# KiCad board cvbs-mipi-bridge.kicad_pcb
title: CVBS-MIPI Bridge; date: 2022-11-16; rev: 1.1.1; company: Antmicro Ltd.; note: www.antmicro.com
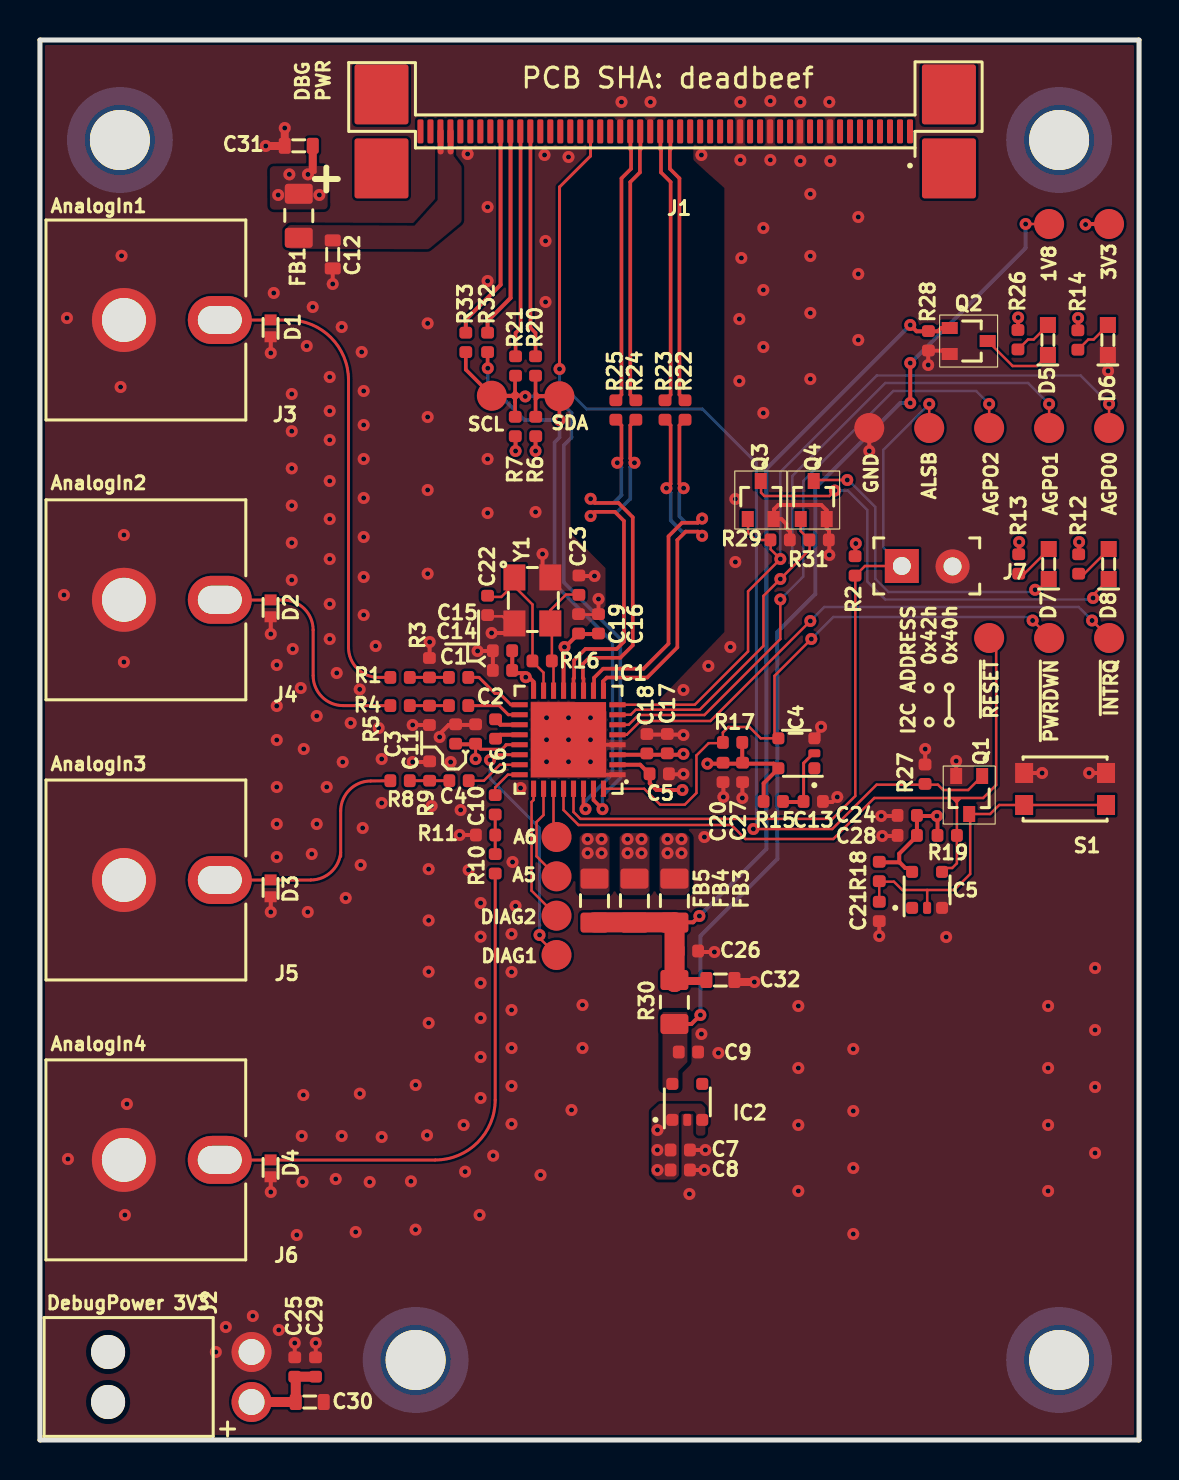
[diagram p0: board, top side]
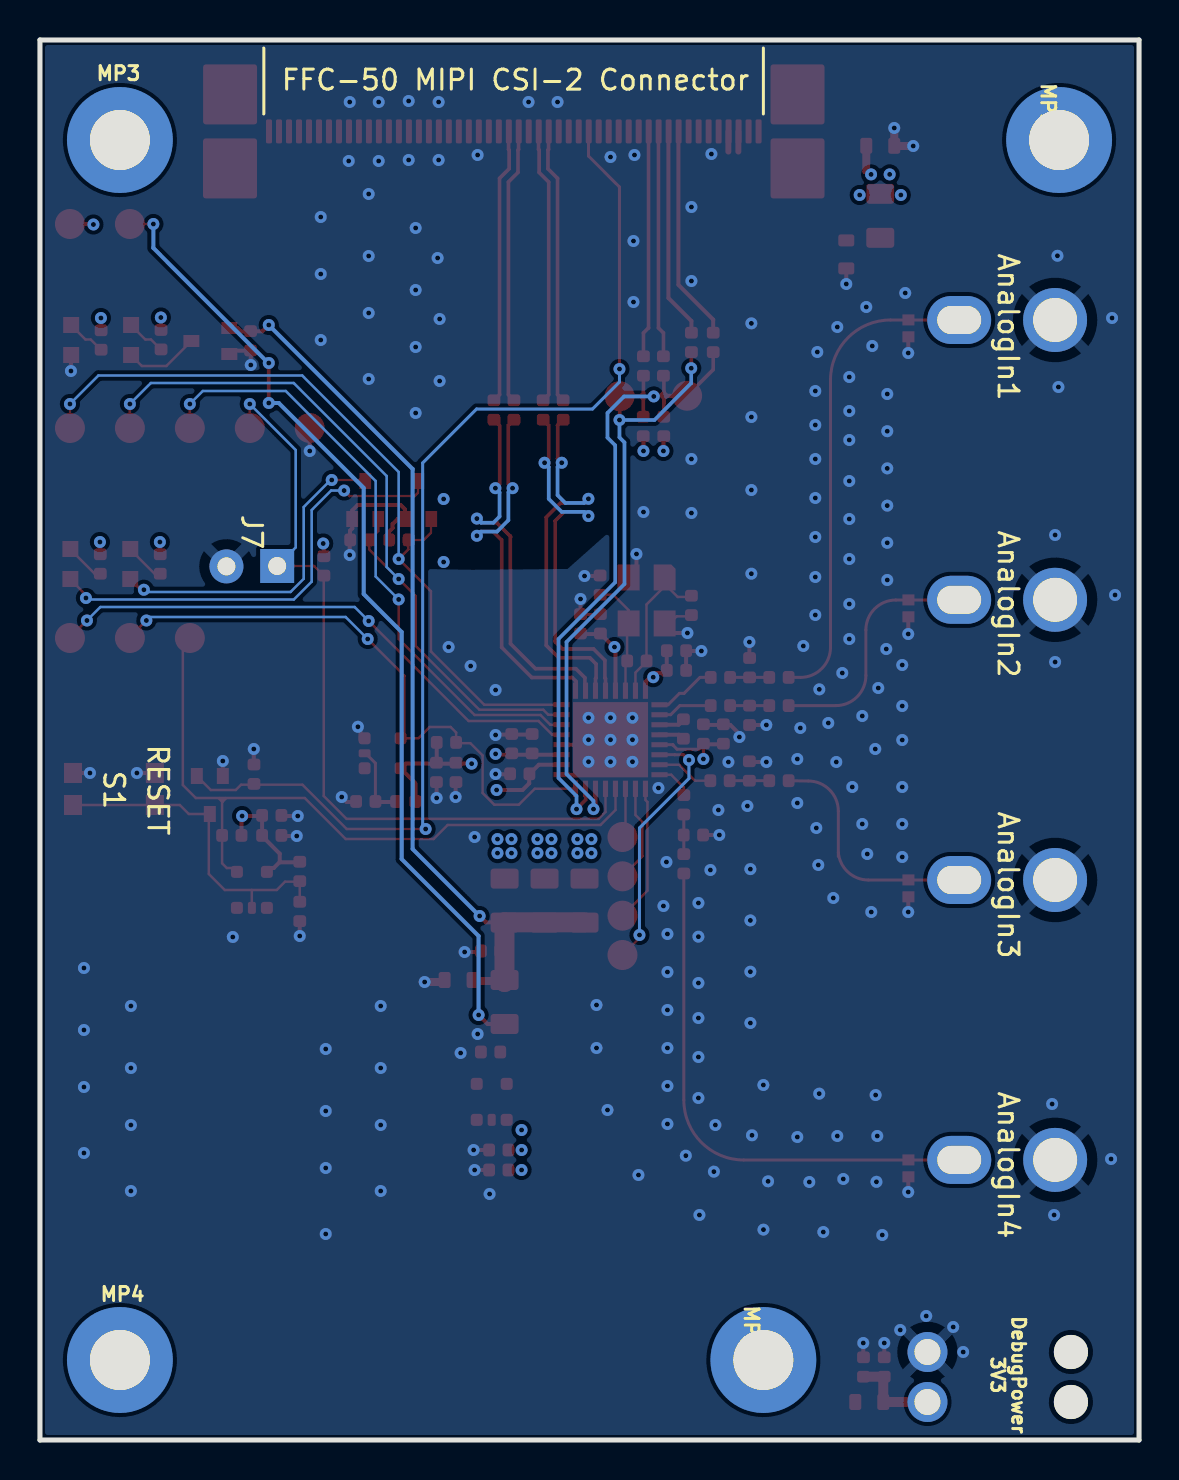
[diagram p1: board, bottom side, seen from below]

Outline 55 x 70 mm; copper layers: Top, In1.Cu (plane), In2.Cu (plane), Bottom. Coordinates in mm from the lower left corner of the outline.
Outline path: 0,70 55,70 55,0 0,0 0,70
Stack: Top 0.018mm / dielectric 0.12mm FR4 er 4.2 / In1.Cu 0.035mm / dielectric 1.2mm FR4 er 4.2 / In2.Cu 0.035mm / dielectric 0.12mm FR4 er 4.2 / Bottom 0.018mm

## Placement (name value [footprint] x y rotation side)
C1  C_100n_0402  [C_0402_1005Metric]  20.95 38.13 0 top
C2  C_100n_0402  [C_0402_1005Metric]  20.95 36.72 0 top
C3  C_100n_0402  [C_0402_1005Metric]  20.8 35.3 90 top
C4  C_100n_0402  [C_0402_1005Metric]  20.97 32.97 0 top
C5  C_100n_0402  [C_0402_1005Metric]  30.99 33.31 0 top
C6  C_100n_0402  [C_0402_1005Metric]  22.8 35.55 270 top
C7  C_100n_0402  [C_0402_1005Metric]  32.04 14.5 0 top
C8  C_1u_0402  [C_0402_1005Metric]  32.04 13.5 0 top
C9  C_1u_0402  [C_0402_1005Metric]  32.45 19.4 0 top
C10  C_100n_0402  [C_0402_1005Metric]  22.78 31.76 90 top
C11  C_10n_0402  [C_0402_1005Metric]  21.8 35.3 270 top
C12  C_1u_0603  [C_0603_1608Metric]  14.65 59.28 270 top
C13  C_100n_0402  [C_0402_1005Metric]  38.7 31.93 180 top
C14  C_100n_0402  [C_0402_1005Metric]  23.15 38.48 180 top
C15  C_10n_0402  [C_0402_1005Metric]  23.15 39.47 0 top
C16  C_100n_0402  [C_0402_1005Metric]  27.95 40.81 90 top
C17  C_100n_0402  [C_0402_1005Metric]  31.39 34.82 90 top
C18  C_10n_0402  [C_0402_1005Metric]  30.37 34.81 270 top
C19  C_10n_0402  [C_0402_1005Metric]  26.95 40.81 90 top
C20  C_100n_0402  [C_0402_1005Metric]  34.18 33.38 270 top
C21  C_100n_0402  [C_0402_1005Metric]  42 26.43 270 top
C22  C_10p_0402  [C_0402_1005Metric]  22.4 41.73 270 top
C23  C_10p_0402  [C_0402_1005Metric]  26.97 42.74 90 top
C24  C_100n_0402  [C_0402_1005Metric]  43.4 31.23 0 top
C25  C_1u_0402  [C_0402_1005Metric]  12.75 3.65 90 top
C26  C_100n_0402  [C_0402_1005Metric]  32.45 24.45 0 top
C27  C_1u_0402  [C_0402_1005Metric]  35.16 33.38 90 top
C28  C_1u_0402  [C_0402_1005Metric]  43.4 30.23 180 top
C29  C_100n_0402  [C_0402_1005Metric]  13.79 3.65 90 top
C30  C_10u_0603  [C_0603_1608Metric]  13.5 1.9 0 top
C31  C_10u_0603  [C_0603_1608Metric]  12.95 64.71 180 top
C32  C_10u_0603  [C_0603_1608Metric]  34.05 23 0 top
D1  UCLAMP2501T.TCT  [SLP1006P2T]  11.54 55.58 90 top
D2  UCLAMP2501T.TCT  [SLP1006P2T]  11.54 41.58 90 top
D3  UCLAMP2501T.TCT  [SLP1006P2T]  11.54 27.58 90 top
D4  UCLAMP2501T.TCT  [SLP1006P2T]  11.54 13.58 90 top
D5  LED_G_0603_KP-1608ZGC  [LED_0603_1608Metric_G]  50.44 55 270 top
D6  LED_G_0603_KP-1608ZGC  [LED_0603_1608Metric_G]  53.44 55 270 top
D7  LED_G_0603_KP-1608ZGC  [LED_0603_1608Metric_G]  50.48 43.8 270 top
D8  LED_G_0603_KP-1608ZGC  [LED_0603_1608Metric_G]  53.48 43.8 270 top
FB1  FB_220Z_1.5A_0805  [FB_0805_2012Metric]  12.95 61.21 270 top
FB3  FB_220Z_1.5A_0805  [FB_0805_2012Metric]  31.75 26.97 90 top
FB4  FB_220Z_1.5A_0805  [FB_0805_2012Metric]  29.75 26.97 90 top
FB5  FB_220Z_1.5A_0805  [FB_0805_2012Metric]  27.75 26.97 90 top
IC1  ADV7282-M  [LFCSP-32-1EP-5x5mm]  26.45 35.01 180 top
IC2  TLV70018_SC70  [SC-70-5]  32.4 16.9 0 top
IC4  SN74AUP1G17_SC70  [SC-70-5]  37.86 34.34 90 top
IC5  SN74AUP1G17_SC70  [SC-70-5]  44.4 27.5 0 top
J1  Conn_FFC_68715014522  [WE_68715014522]  31.29 67.58 180 top
J2  -  [PinHeader_1x2_P2.5mm_Drill1.1mm_Shrouded_Latch]  10.59 1.9 270 top
J3  -  [RCA_PHONO_JACK_KLPX-0848A-2-Y]  4.2 56 0 top
J4  -  [RCA_PHONO_JACK_KLPX-0848A-2-Y]  4.2 42.01 0 top
J5  -  [RCA_PHONO_JACK_KLPX-0848A-2-Y]  4.2 28 0 top
J6  -  [RCA_PHONO_JACK_KLPX-0848A-2-Y]  4.2 14 0 top
J7  PinHeader_1x2_P2.54mm_Drill1.1mm  [PinHeader_1x2_P2.54_Drill0.9mm]  43.13 43.7 0 top
MP1  Spacer_H3mm_9774030243R  [Spacer_SMD_M2_H3mm_Wurth_9774030243R]  4 65 270 bottom
MP2  Spacer_H3mm_9774030243R  [Spacer_SMD_M2_H3mm_Wurth_9774030243R]  18.8 4 90 bottom
MP3  Spacer_H3mm_9774030243R  [Spacer_SMD_M2_H3mm_Wurth_9774030243R]  51 65 180 bottom
MP4  Spacer_H3mm_9774030243R  [Spacer_SMD_M2_H3mm_Wurth_9774030243R]  51 4 180 bottom
Q1  BSS138PW  [SC70-3]  46.5 32.25 270 top
Q2  BSS138PW  [SC70-3]  46.48 54.95 0 top
Q3  BSS138PW  [SC70-3]  36.07 47 90 top
Q4  BSS138PW  [SC70-3]  38.72 47 90 top
R1  R_24R_0402  [R_0402_1005Metric]  18.02 38.13 0 top
R2  R_1k_0402  [R_0402_1005Metric]  40.79 43.7 270 top
R3  R_51R_0402  [R_0402_1005Metric]  19.49 38.61 270 top
R4  R_24R_0402  [R_0402_1005Metric]  18.02 36.72 0 top
R5  R_51R_0402  [R_0402_1005Metric]  19.49 36.23 90 top
R6  R_4k7_0402  [R_0402_1005Metric]  24.81 50.67 270 top
R7  R_4k7_0402  [R_0402_1005Metric]  23.79 50.67 270 top
R8  R_24R_0402  [R_0402_1005Metric]  18.02 32.97 0 top
R9  R_51R_0402  [R_0402_1005Metric]  19.5 33.45 270 top
R10  R_24R_0402  [R_0402_1005Metric]  22.78 28.81 90 top
R11  R_51R_0402  [R_0402_1005Metric]  22.3 30.25 0 top
R12  R_470R_0402  [R_0402_1005Metric]  51.98 43.8 90 top
R13  R_470R_0402  [R_0402_1005Metric]  48.98 43.8 90 top
R14  R_470R_0402  [R_0402_1005Metric]  51.94 55 270 top
R15  R_22k_0402  [R_0402_1005Metric]  36.7 31.93 180 top
R16  R_1M_0402  [R_0402_1005Metric]  25.13 38.95 0 top
R17  R_100k_0402  [R_0402_1005Metric]  34.66 34.88 0 top
R18  R_100k_0402  [R_0402_1005Metric]  42 28.43 90 top
R19  R_100k_0402  [R_0402_1005Metric]  45.4 30.23 180 top
R20  R_0R_0402  [R_0402_1005Metric]  24.8 53.7 90 top
R21  R_0R_0402  [R_0402_1005Metric]  23.8 53.7 90 top
R22  R_0R_0402  [R_0402_1005Metric]  32.28 51.5 90 top
R23  R_0R_0402  [R_0402_1005Metric]  31.28 51.5 90 top
R24  R_0R_0402  [R_0402_1005Metric]  29.82 51.5 90 top
R25  R_0R_0402  [R_0402_1005Metric]  28.82 51.5 90 top
R26  R_470R_0402  [R_0402_1005Metric]  48.94 55.02 270 top
R27  R_100k_0402  [R_0402_1005Metric]  44.29 33.29 270 top
R28  R_100k_0402  [R_0402_1005Metric]  44.46 54.96 90 top
R29  R_100k_0402  [R_0402_1005Metric]  37.04 45 180 top
R30  R_0R_0805  [R_0805_2012Metric]  31.75 21.9 90 top
R31  R_100k_0402  [R_0402_1005Metric]  38.99 45 180 top
R32  R_0R_0402  [R_0402_1005Metric]  22.4 54.88 90 top
R33  R_0R_0402  [R_0402_1005Metric]  21.31 54.88 90 top
REF**  antmicro-logo_scaled_20mm  [antmicro-logo_scaled_20mm_mask]  44.8 11.75 90 top
REF**#2  -  [OSHW-Logo_5.7x6mm_Mask]  34.8 4.5 90 top
S1  SW_SPST_KMR211NGLFS  [SW_SPST_4.2x2.8]  51.3 32.55 0 top
TP1  TP_1.5mm_SMD  [TP_SMD_1.5mm]  47.5 50.6 0 top
TP2  TP_1.5mm_SMD  [TP_SMD_1.5mm]  53.5 40.1 180 top
TP3  TP_1.5mm_SMD  [TP_SMD_1.5mm]  50.5 60.8 0 top
TP4  TP_1.5mm_SMD  [TP_SMD_1.5mm]  25.85 24.25 0 top
TP5  TP_1.5mm_SMD  [TP_SMD_1.5mm]  53.5 60.8 0 top
TP6  TP_1.5mm_SMD  [TP_SMD_1.5mm]  25.99 52.19 90 top
TP7  TP_1.5mm_SMD  [TP_SMD_1.5mm]  22.62 52.21 90 top
TP8  TP_1.5mm_SMD  [TP_SMD_1.5mm]  47.5 40.1 180 top
TP9  TP_1.5mm_SMD  [TP_SMD_1.5mm]  50.5 40.1 180 top
TP10  TP_1.5mm_SMD  [TP_SMD_1.5mm]  50.5 50.6 90 top
TP11  TP_1.5mm_SMD  [TP_SMD_1.5mm]  53.5 50.6 90 top
TP12  TP_1.5mm_SMD  [TP_SMD_1.5mm]  44.5 50.6 0 top
TP13  TP_1.5mm_SMD  [TP_SMD_1.5mm]  41.5 50.6 0 top
TP14  TP_1.5mm_SMD  [TP_SMD_1.5mm]  25.85 26.22 0 top
TP15  TP_1.5mm_SMD  [TP_SMD_1.5mm]  25.85 28.18 0 top
TP16  TP_1.5mm_SMD  [TP_SMD_1.5mm]  25.85 30.15 0 top
Y1  Oscillator_SMD_28.63636MHz_KX-7  [Oscillator_SMD_Geyer_KX-7-4Pin_3.2x2.5mm]  24.69 42.03 270 top

## Library data of the parts
C1 C3 C5 C24 = -: Author: Antmicro; Dielectric: X5R; License: Apache-2.0; MPN: GRM155R61H104KE14D; Manufacturer: Murata; Val: 100n; Voltage: 50V; Field11: License: Apache-2.0; Field13: Author: Antmicro
C2 C7 C13 C14 C16 = -: Author: Antmicro; Dielectric: X5R; License: Apache-2.0; MPN: GRM155R61H104KE14D; Manufacturer: Murata; Val: 100n; Voltage: 50V; Field11: License: Apache-2.0; Field12: Author: Antmicro
C4 = -: Author: Antmicro; Dielectric: X5R; License: Apache-2.0; MPN: GRM155R61H104KE14D; Manufacturer: Murata; Val: 100n; Voltage: 50V; Field12: License: Apache-2.0; Field13: Author: Antmicro
C6 C20 C21 = -: Author: Antmicro; Dielectric: X5R; License: Apache-2.0; MPN: GRM155R61H104KE14D; Manufacturer: Murata; Val: 100n; Voltage: 50V; Field12: Author: Antmicro; Field13: License: Apache-2.0
C8 = -: Author: Antmicro; License: Apache-2.0; MPN: C1005X6S1A105K050BC; Manufacturer: TDK; Val: 1u; Field11: Author: Antmicro; Field13: License: Apache-2.0
C9 = -: Author: Antmicro; License: Apache-2.0; MPN: C1005X6S1A105K050BC; Manufacturer: TDK; Val: 1u; Field12: License: Apache-2.0; Field13: Author: Antmicro
C10 C17 C26 = -: Author: Antmicro; Dielectric: X5R; License: Apache-2.0; MPN: GRM155R61H104KE14D; Manufacturer: Murata; Val: 100n; Voltage: 50V; Field11: Author: Antmicro; Field12: License: Apache-2.0
C11 C15 = -: Author: Antmicro; Dielectric: X7R; License: Apache-2.0; MPN: GRM155R71H103KA88D; Manufacturer: Murata; Val: 10n; Voltage: 50V; Field11: Author: Antmicro; Field13: License: Apache-2.0
C12 = -: Author: Antmicro; License: Apache-2.0; MPN: 0603YD105KAT2A; Manufacturer: Walsin; Val: 1u; Field11: License: Apache-2.0; Field13: Author: Antmicro
C18 = -: Author: Antmicro; Dielectric: X7R; License: Apache-2.0; MPN: GRM155R71H103KA88D; Manufacturer: Murata; Val: 10n; Voltage: 50V; Field12: License: Apache-2.0; Field13: Author: Antmicro
C19 = -: Author: Antmicro; Dielectric: X7R; License: Apache-2.0; MPN: GRM155R71H103KA88D; Manufacturer: Murata; Val: 10n; Voltage: 50V; Field11: License: Apache-2.0; Field13: Author: Antmicro
C22 = -: Author: Antmicro; Dielectric: C0G; License: Apache-2.0; MPN: GCM1555C1H100GA16D; Manufacturer: Murata; Val: 10p; Voltage: 50V; Field11: License: Apache-2.0; Field12: Author: Antmicro
C23 = -: Author: Antmicro; Dielectric: C0G; License: Apache-2.0; MPN: GCM1555C1H100GA16D; Manufacturer: Murata; Val: 10p; Voltage: 50V; Field12: License: Apache-2.0; Field13: Author: Antmicro
C25 = -: Author: Antmicro; DNP: DNP; License: Apache-2.0; MPN: C1005X6S1A105K050BC; Manufacturer: TDK; Val: 1u; Field12: License: Apache-2.0; Field13: Author: Antmicro
C27 = -: Author: Antmicro; License: Apache-2.0; MPN: C1005X6S1A105K050BC; Manufacturer: TDK; Val: 1u; Field11: Author: Antmicro; Field12: License: Apache-2.0
C28 = -: Author: Antmicro; License: Apache-2.0; MPN: C1005X6S1A105K050BC; Manufacturer: TDK; Val: 1u; Field12: Author: Antmicro; Field13: License: Apache-2.0
C29 = -: Author: Antmicro; DNP: DNP; Dielectric: X5R; License: Apache-2.0; MPN: GRM155R61H104KE14D; Manufacturer: Murata; Val: 100n; Voltage: 50V; Field12: Author: Antmicro; Field14: License: Apache-2.0
C30 = -: Author: Antmicro; DNP: DNP; License: Apache-2.0; MPN: GRM188R61A106KE69D; Manufacturer: Murata; Val: 10u; Field12: License: Apache-2.0; Field13: Author: Antmicro
C31 = -: Author: Antmicro; License: Apache-2.0; MPN: GRM188R61A106KE69D; Manufacturer: Murata; Val: 10u; Field10: License: Apache-2.0; Field12: Author: Antmicro
C32 = -: Author: Antmicro; License: Apache-2.0; MPN: GRM188R61A106KE69D; Manufacturer: Murata; Val: 10u; Field10: Author: Antmicro; Field12: License: Apache-2.0
D1 = -: Author: Antmicro; License: Apache-2.0; Manufacturer: Semtech; Field8: License: Apache-2.0; Field10: Author: Antmicro
D2 = -: Author: Antmicro; License: Apache-2.0; Manufacturer: Semtech; Field9: License: Apache-2.0; Field10: Author: Antmicro
D3 = -: Author: Antmicro; License: Apache-2.0; Manufacturer: Semtech; Field8: Author: Antmicro; Field10: License: Apache-2.0
D4 = -: Author: Antmicro; License: Apache-2.0; Manufacturer: Semtech; Field8: Author: Antmicro; Field9: License: Apache-2.0
D5 = -: Author: Antmicro; License: Apache-2.0; MPN: KP-1608ZGC; Manufacturer: Kingbright; Field8: Author: Antmicro; Field9: License: Apache-2.0
D6 = -: Author: Antmicro; License: Apache-2.0; MPN: KP-1608ZGC; Manufacturer: Kingbright; Field8: License: Apache-2.0; Field10: Author: Antmicro
D7 D8 = -: Author: Antmicro; License: Apache-2.0; MPN: KP-1608ZGC; Manufacturer: Kingbright; Field8: Author: Antmicro; Field10: License: Apache-2.0
FB1 = -: Author: Antmicro; Current: 1.5A; License: Apache-2.0; MPN: 742792022; Manufacturer: Würth Elektronik; Val: 220Z; Field10: Author: Antmicro; Field11: License: Apache-2.0
FB3 = -: Author: Antmicro; Current: 1.5A; License: Apache-2.0; MPN: 742792022; Manufacturer: Würth Elektronik; Val: 220Z; Field10: License: Apache-2.0; Field12: Author: Antmicro
FB4 = -: Author: Antmicro; Current: 1.5A; License: Apache-2.0; MPN: 742792022; Manufacturer: Würth Elektronik; Val: 220Z; Field10: Author: Antmicro; Field12: License: Apache-2.0
FB5 = -: Author: Antmicro; Current: 1.5A; License: Apache-2.0; MPN: 742792022; Manufacturer: Würth Elektronik; Val: 220Z; Field10: License: Apache-2.0; Field11: Author: Antmicro
IC1 = -: Author: Antmicro; License: Apache-2.0; MPN: ADV7282WBCPZ-M; Manufacturer: Analog Devices; Field9: License: Apache-2.0; Field10: Author: Antmicro
IC2 = -: Author: Antmicro; License: Apache-2.0; MPN: TLV70018DCKR; Manufacturer: Texas Instruments; Field8: Author: Antmicro; Field10: License: Apache-2.0
IC4 IC5 = -: Author: Antmicro; License: Apache-2.0; MPN: SN74AUP1G17DCKR; Manufacturer: Texas Instruments; Field8: License: Apache-2.0; Field9: Author: Antmicro
J1 = -: Author: Antmicro; License: Apache-2.0; MPN: 68715014522; Manufacturer: Würth Elektronik; Field8: Author: Antmicro; Field9: License: Apache-2.0
J2 = -: Author: Antmicro; DNP: DNP; License: Apache-2.0; MPN: 1053131102; Manufacturer: Molex; Field9: License: Apache-2.0; Field11: Author: Antmicro
J3 = -: Author: Antmicro; License: Apache-2.0; MPN: KLPX-0848A-2-Y; Manufacturer: Kycon; Field8: Author: Antmicro; Field10: License: Apache-2.0
J4 = -: Author: Antmicro; License: Apache-2.0; MPN: KLPX-0848A-2-Y; Manufacturer: Kycon; Field8: License: Apache-2.0; Field10: Author: Antmicro
J5 = -: Author: Antmicro; License: Apache-2.0; MPN: KLPX-0848A-2-Y; Manufacturer: Kycon; Field9: License: Apache-2.0; Field10: Author: Antmicro
J6 = -: Author: Antmicro; License: Apache-2.0; MPN: KLPX-0848A-2-Y; Manufacturer: Kycon; Field8: License: Apache-2.0; Field9: Author: Antmicro
J7 = -: Author: Antmicro; License: Apache-2.0; MPN: 61300211121; Manufacturer: Würth Elektronik; Field9: Author: Antmicro; Field10: License: Apache-2.0
MP1 = -: Author: Antmicro; License: Apache-2.0; MPN: 9774030243R; Manufacturer: Würth Elektronik; Field8: License: Apache-2.0; Field10: Author: Antmicro
MP2 = -: Author: Antmicro; License: Apache-2.0; MPN: 9774030243R; Manufacturer: Würth Elektronik; Field8: License: Apache-2.0; Field9: Author: Antmicro
MP3 = -: Author: Antmicro; License: Apache-2.0; MPN: 9774030243R; Manufacturer: Würth Elektronik; Field9: Author: Antmicro; Field10: License: Apache-2.0
MP4 = -: Author: Antmicro; License: Apache-2.0; MPN: 9774030243R; Manufacturer: Würth Elektronik; Field8: Author: Antmicro; Field10: License: Apache-2.0
Q1 = -: Author: Antmicro; License: Apache-2.0; Manufacturer: Nexperia; Field9: License: Apache-2.0; Field10: Author: Antmicro
Q2-Q4 = -: Author: Antmicro; License: Apache-2.0; Manufacturer: Nexperia; Field8: Author: Antmicro; Field10: License: Apache-2.0
R1 = -: Author: Antmicro; License: Apache-2.0; MPN: CR0402-FX-24R0GLF; Manufacturer: Bourns; Tolerance: 1%; Val: 24R; Field11: Author: Antmicro; Field12: License: Apache-2.0
R2 = -: Author: Antmicro; License: Apache-2.0; MPN: CR0402-FX-1001GLF; Manufacturer: Bourns; Tolerance: 1%; Val: 1k; Field11: Author: Antmicro; Field12: License: Apache-2.0
R3 R11 = -: Author: Antmicro; License: Apache-2.0; MPN: CR0402-FX-51R0GLF; Manufacturer: Bourns; Tolerance: 1%; Val: 51R; Field10: Author: Antmicro; Field12: License: Apache-2.0
R4 = -: Author: Antmicro; License: Apache-2.0; MPN: CR0402-FX-24R0GLF; Manufacturer: Bourns; Tolerance: 1%; Val: 24R; Field10: Author: Antmicro; Field11: License: Apache-2.0
R5 R9 = -: Author: Antmicro; License: Apache-2.0; MPN: CR0402-FX-51R0GLF; Manufacturer: Bourns; Tolerance: 1%; Val: 51R; Field11: License: Apache-2.0; Field12: Author: Antmicro
R6 = -: Author: Antmicro; DNP: DNP; License: Apache-2.0; MPN: CR0402-FX-4701GLF; Manufacturer: Bourns; Tolerance: 1%; Val: 4k7; Field12: Author: Antmicro; Field13: License: Apache-2.0
R7 = -: Author: Antmicro; DNP: DNP; License: Apache-2.0; MPN: CR0402-FX-4701GLF; Manufacturer: Bourns; Tolerance: 1%; Val: 4k7; Field11: Author: Antmicro; Field12: License: Apache-2.0
R8 R10 = -: Author: Antmicro; License: Apache-2.0; MPN: CR0402-FX-24R0GLF; Manufacturer: Bourns; Tolerance: 1%; Val: 24R; Field10: License: Apache-2.0; Field12: Author: Antmicro
R12 = -: Author: Antmicro; License: Apache-2.0; MPN: CR0402-FX-4700GLF; Manufacturer: Bourns; Tolerance: 1%; Val: 470R; Field10: Author: Antmicro; Field12: License: Apache-2.0
R13 = -: Author: Antmicro; License: Apache-2.0; MPN: CR0402-FX-4700GLF; Manufacturer: Bourns; Tolerance: 1%; Val: 470R; Field10: Author: Antmicro; Field11: License: Apache-2.0
R14 = -: Author: Antmicro; License: Apache-2.0; MPN: CR0402-FX-4700GLF; Manufacturer: Bourns; Tolerance: 1%; Val: 470R; Field11: License: Apache-2.0; Field12: Author: Antmicro
R15 = -: Author: Antmicro; License: Apache-2.0; MPN: CR0402-FX-2202GLF; Manufacturer: Bourns; Tolerance: 1%; Val: 22k; Field11: License: Apache-2.0; Field12: Author: Antmicro
R16 = -: Author: Antmicro; License: Apache-2.0; MPN: CR0402-FX-1004GLF; Manufacturer: Bourns; Tolerance: 1%; Val: 1M; Field11: Author: Antmicro; Field12: License: Apache-2.0
R17-R19 = -: Author: Antmicro; License: Apache-2.0; MPN: CR0402-FX-1003GLF; Manufacturer: Bourns; Tolerance: 1%; Val: 100k; Field11: License: Apache-2.0; Field12: Author: Antmicro
R20 = -: Author: Antmicro; Current: 1A; DNP: DNP; License: Apache-2.0; MPN: ERJ2GE0R00X; Manufacturer: Panasonic; Val: 0R; Field12: License: Apache-2.0; Field14: Author: Antmicro
R21 = -: Author: Antmicro; Current: 1A; DNP: DNP; License: Apache-2.0; MPN: ERJ2GE0R00X; Manufacturer: Panasonic; Val: 0R; Field13: Author: Antmicro; Field14: License: Apache-2.0
R22 R24 R32 = -: Author: Antmicro; Current: 1A; License: Apache-2.0; MPN: ERJ2GE0R00X; Manufacturer: Panasonic; Val: 0R; Field12: License: Apache-2.0; Field13: Author: Antmicro
R23 = -: Author: Antmicro; Current: 1A; License: Apache-2.0; MPN: ERJ2GE0R00X; Manufacturer: Panasonic; Val: 0R; Field11: Author: Antmicro; Field13: License: Apache-2.0
R25 R33 = -: Author: Antmicro; Current: 1A; License: Apache-2.0; MPN: ERJ2GE0R00X; Manufacturer: Panasonic; Val: 0R; Field11: License: Apache-2.0; Field12: Author: Antmicro
R26 = -: Author: Antmicro; License: Apache-2.0; MPN: CR0402-FX-4700GLF; Manufacturer: Bourns; Tolerance: 1%; Val: 470R; Field10: License: Apache-2.0; Field11: Author: Antmicro